# Altium PCB 控制盒基板.PcbDoc (part 2 of 8)
Units mil, origin at the board's own origin, x right, y up, seen from the top; angles counter-clockwise.
Board outline 12046.02 x 6189.14 mil, 4 copper layers (Top Layer, SGND, POWER, Bottom Layer); 368 components, 219 nets, 1110 pads, 351 vias.
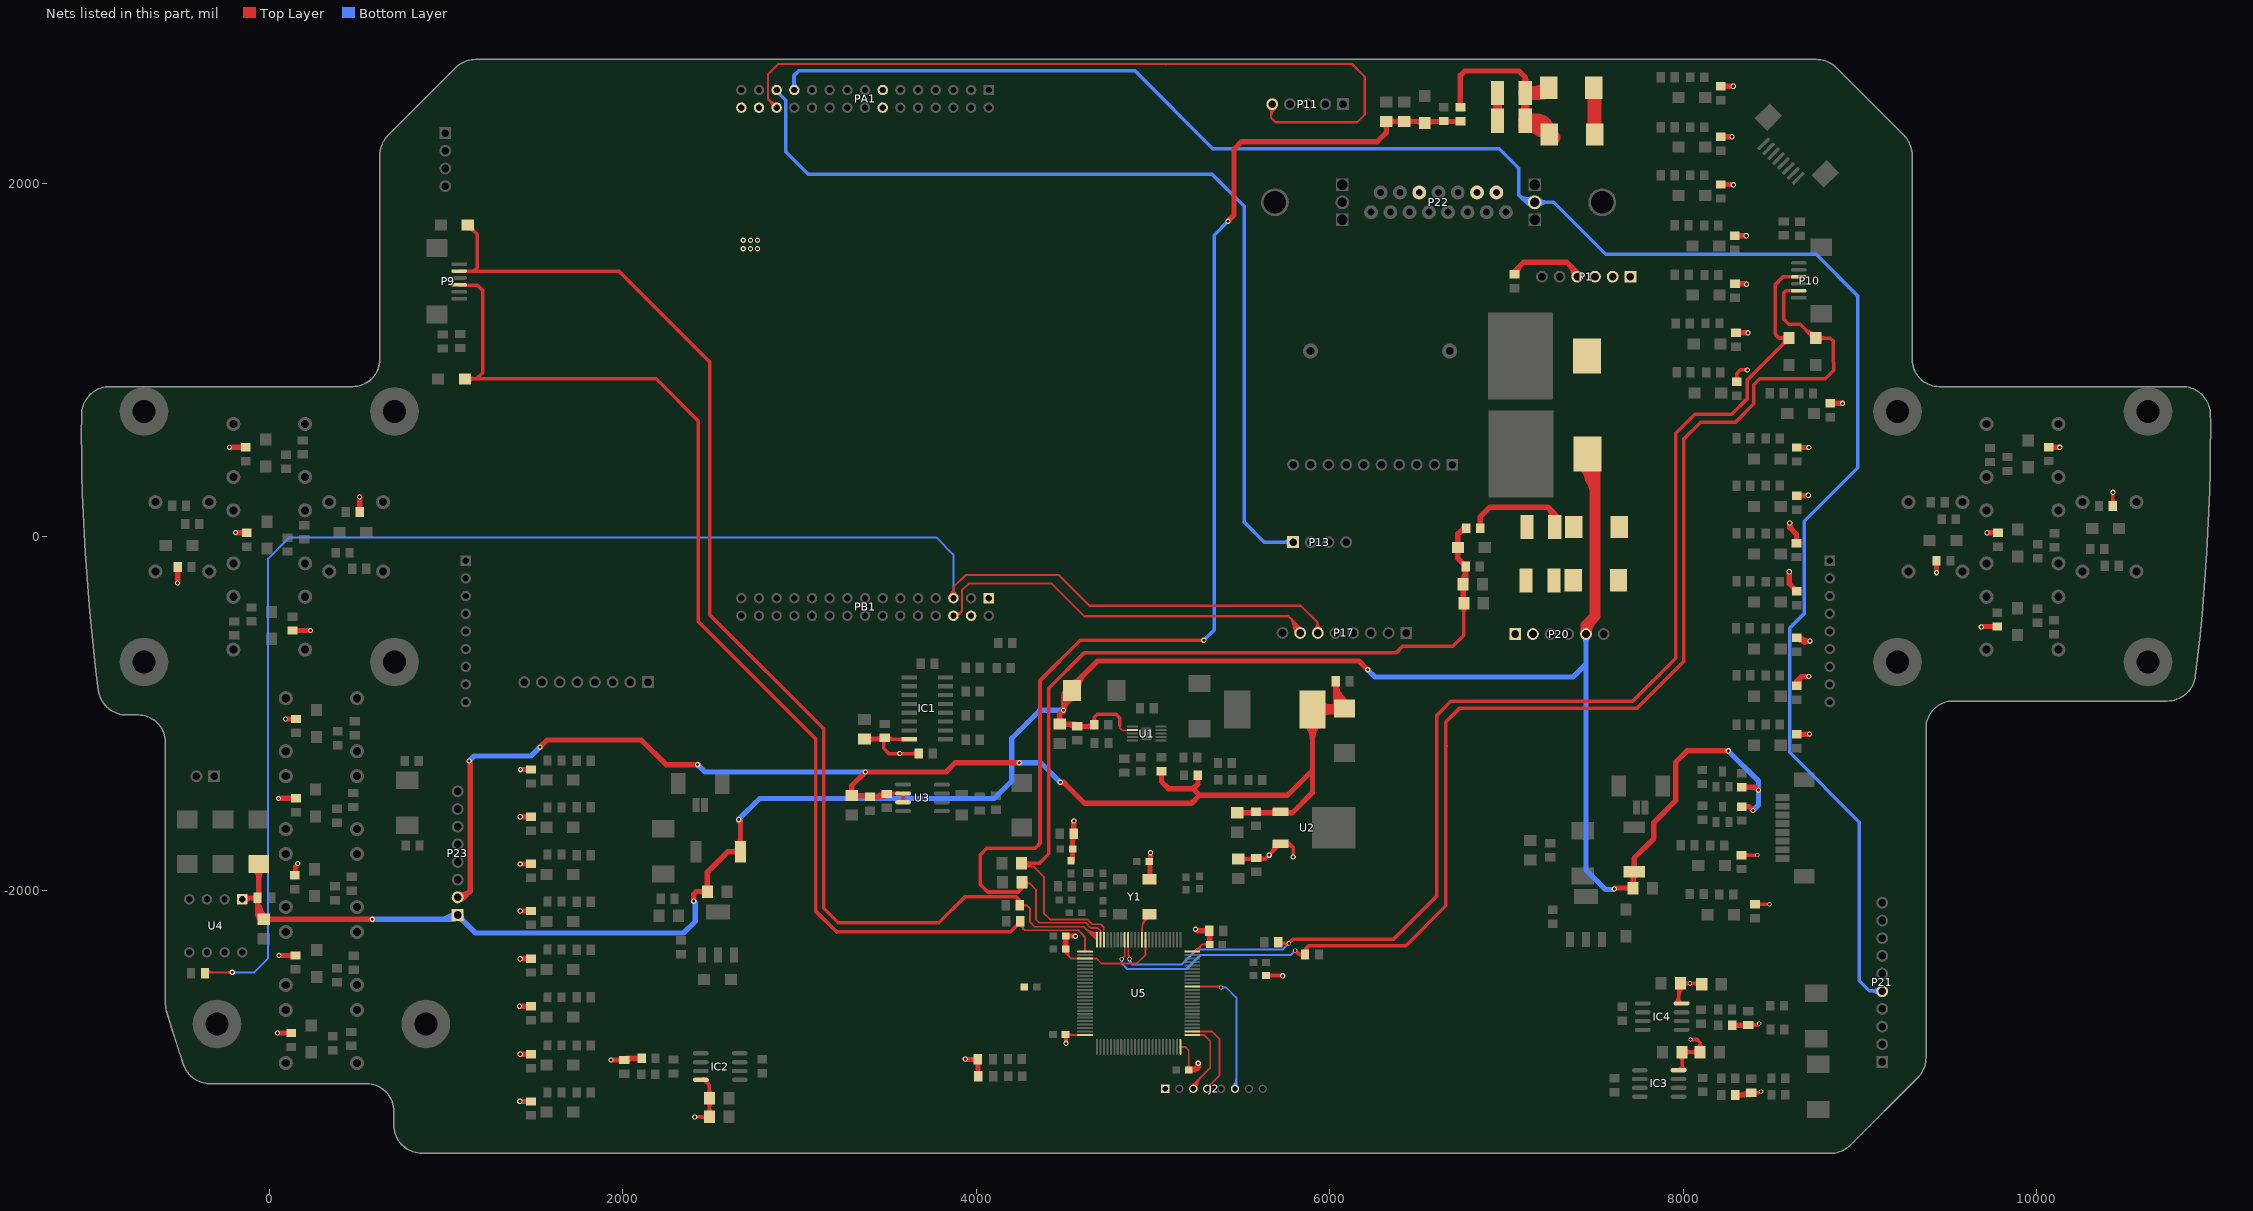
[diagram p4: the nets of this part, all layers, seen from the top]

## Via types
v1: diameter 30, hole 16, Top Layer to Bottom Layer, tented both sides, 209 vias
v2: diameter 24, hole 16, Top Layer to Bottom Layer, tented both sides, 75 vias
v3: diameter 30, hole 18, Top Layer to Bottom Layer, tented both sides, 57 vias
v4: diameter 28, hole 18, Top Layer to Bottom Layer, tented both sides, 10 vias

## Nets (pads, with @x,y where several pads share a name; then routed paths per layer and width w, separated by ;. In a path a pad name is that pad's centre, name@x,y a point inside that pad or via, vN(x,y) a via of type N, cw(c..) or ccw(c..) an arc to the next point about the centre after c; other vN are vias at no path point) (continued)
+3.3V_S: C20.1 C25.2 C92.2 C93.2 C95.2 C96.1 C97.1 C98.1 C100.1 C102.1 C104.1 C108.1 C110.2 C112.2 C113.2 C114.2 C115.2 C116.2 C117.2 C118.2 C119.2 C120.2 C121.2 D60.1 D61.1 IC1.16 IC2.8 IC3.8 IC4.8 J2.1 L4.1 R0.1 R13.2 R14.2 R15.2 R16.2 R17.2 R23.2 R24.2 R25.2 R26.2 R31.2 R32.2 R33.2 R34.2 R39.2 R40.2 R41.2 R42.2 R47.2 R48.2 R49.2 R50.2 R55.2 R56.2 R59.2 R60.2 R61.2 R65.2 R66.2 R67.2 R71.2 R72.2 R73.2 R77.2 R78.2 R79.2 R85.2 R86.2 R89.2 R90.2 R93.2 R109.1 R112.1 R115.1 U2.3 U5.11 U5.28 U5.50 U5.75 U5.100 Y1.4 | length 14471.4
  Top Layer w10: C104.1@4499.95,-2344.01 cw(c4491.14,-2356.51) 4506.43,-2356.51 cw(c4518.11,-2356.51) C104.1@4513.81,-2345.65 ; C104.1@4503.26,-2330.64 ccw(c4534.3,-2338.88) 4511.59,-2361.59 ; C104.1@4504.09,-2328.9 ccw(c4521.32,-2341.3) 4506.31,-2356.31 ; C102.1@4505.53,-2816 4508,-2818.47 4508.75,-2819.22 U5.50@4615.85,-2819.22 ; C104.1@4506.43,-2332 4506.43,-2356.43 ; C104.1@4512.2,-2334.74 ccw(c4531,-2348.26) 4514.63,-2364.63 ; C104.1@4512.93,-2333.2 ccw(c4553.7,-2344.04) 4523.87,-2373.87 ; C104.1@4520.32,-2340.58 ccw(c4540.68,-2355.22) 4522.95,-2372.95 ; C104.1@4522.59,-2335.77 ccw(c4573.1,-2349.19) 4536.15,-2386.15 ; U5.28@4616,-2386 ccw(c4616,-2386.15) U5.28@4615.85,-2386.15 ; U5.11@4959.3,-2280.78 U5.11@4958.37,-2279.85 4958.37,-2364.63 4909,-2414 4709,-2414 4680.21,-2385.21 4614.91,-2385.21 U5.28@4615.85,-2386.15 ; U5.75@5155.22,-2886.15 5182.15,-2886.15 5202.43,-2906.43 C100.1@5202.43,-3017 ; U5.100@5222.15,-2346.78 5237.22,-2346.78 5278,-2306 ; C98.1@5321.57,-2306 5278,-2306 ; 4506.43,-2356.43 ccw(c4493.45,-2356.43) 4499.54,-2344.97 cw(c4493.45,-2356.43) 4506.43,-2356.43 ; 4506.43,-2356.43 cw(c4519.41,-2356.43) 4513.32,-2344.97 ccw(c4519.41,-2356.43) 4506.43,-2356.43 ; 4506.43,-2356.43 4536.15,-2386.15 ; 4536.15,-2386.15 U5.28@4615.85,-2386.15 ; 5202.43,-2981.55 ccw(c5237.89,-2981.55) 5212.82,-3006.62 cw(c5237.89,-2981.55) 5202.43,-2981.55 ; 5202.43,-2981.55 cw(c5166.98,-2981.55) 5192.05,-3006.62 ccw(c5166.98,-2981.55) 5202.43,-2981.55 ; 5278,-2306 ccw(c5316.39,-2344.39) 5262.15,-2346.75 cw(c5316.39,-2344.39) 5278,-2306 ; 5284.15,-2306 ccw(c5284.15,-2270.55) 5309.21,-2295.62 cw(c5284.15,-2270.55) 5284.15,-2306 ; 5284.15,-2306 cw(c5284.15,-2341.45) 5309.21,-2316.38 ccw(c5284.15,-2341.45) 5284.15,-2306 ; C102.1@4517.88,-2826.38 cw(c4535.17,-2843.68) 4535.17,-2819.22 ccw(c4535.17,-2843.68) C102.1@4517.88,-2826.38 ; C102.1@4517.88,-2805.62 ccw(c4550.72,-2772.77) 4550.72,-2819.22 cw(c4550.72,-2772.77) C102.1@4517.88,-2805.62 ; U5.100@5242.17,-2347.62 cw(c5254.77,-2347.07) 5245.85,-2338.15 ccw(c5254.77,-2347.07) U5.100@5242.17,-2347.62 ; U5.100@5252.16,-2347.18 cw(c5285.58,-2345.73) 5261.92,-2322.08 ccw(c5285.58,-2345.73) U5.100@5252.16,-2347.18
  Top Layer w20: R15.2@144,-1915.63 144,-1865 v1(161,-1848) ; 144,-1872.04 cw(c163.14,-1872.04) v1@161.44,-1852.98 ; 150,-1878.71 ccw(c176.96,-1885.93) R15.2@157.46,-1905.89 ; 153.32,-1870.97 ccw(c128.58,-1856.69) v1@156.17,-1849.29 ; v1(2408,-3282) C116.2@2490.92,-3282 C116.2@2493,-3279.92 ; IC2.8@2442,-3072.29 2459.29,-3072.29 2490,-3103 C116.2@2490,-3265.92 ; IC2.8@2457.92,-3066.6 ccw(c2463.17,-3068.35) IC2.8@2459.26,-3072.26 ; IC2.8@2476.9,-3072.92 ccw(c2497.5,-3079.79) 2482.14,-3095.14 ; IC2.8@2477,-3072.29 ccw(c2519.76,-3072.29) 2489.52,-3102.52 ; C110.2@3476.25,-1144.12 3476.25,-1196.25 3506,-1226 C108.1@3675.63,-1226 ; C110.2@3483,-1137.37 3490.63,-1145 IC1.16@3621.64,-1145 ; v1(4508,-2866) C102.1@4508,-2818.47 ; C20.1@5483,-1822.88 5635.27,-1822.88 ; R0.1@5639.43,-2482 v1@5732,-2482 ; v1@5656.85,-1795.96 ccw(c5655.75,-1780.74) 5668.97,-1788.37 ; v1@5662.45,-1795.7 ccw(c5602.91,-1736.16) U2.3@5687.12,-1736.16 ; 5667.22,-1787.44 cw(c5651.1,-1778.13) 5655.92,-1796.12 ccw(c5649.35,-1771.62) 5671.31,-1784.3 ; 5667.84,-1790.31 ccw(c5620.59,-1743.06) U2.3@5687.17,-1737.33 ; 5696.6,-1761.56 ccw(c5671.19,-1736.16) U2.3@5707.12,-1736.16 ; 5698.22,-1759.93 ccw(c5676.53,-1738.24) U2.3@5707.09,-1735.61 ; U2.3@5739.64,-1730.91 cw(c5753,-1750.27) 5769.63,-1733.63 ; U2.3@5740.7,-1730.31 cw(c5752.12,-1756.43) 5772.27,-1736.27 ; U2.3@5742.52,-1729.82 cw(c5747.56,-1772.92) 5778.24,-1742.24 ; U2.3@5748.72,-1748.64 cw(c5764.73,-1785.27) 5793,-1757 ; U2.3@5751,-1747.37 cw(c5766.86,-1770.35) 5786.61,-1750.6 ; v1(5793,-1811) 5793,-1757 ; IC3.8@7974.04,-3017.71 7994.12,-2997.63 ; IC4.8@7991.04,-2639.71 7974.12,-2622.79 7974.12,-2526 8099.88,-2526 C121.2@8104.88,-2531 ; 7994.2,-2997.95 ccw(c8022.89,-2990.26) IC3.8@8008.04,-3015.98 ; v2(8042,-2844) 8078,-2844 8095.88,-2861.88 ; R85.2@8303,877.37 8303,924 8324,945 8362,945 v3(8363,944) ; R90.2@8329.53,-1800.63 8418.37,-1800.63 v2(8419,-1800) ; C115.2@8369,-2762.37 8421.63,-2762.37 v2(8430,-2754) ; C114.2@8385,-3145.37 8391,-3145.37 8433.63,-3145.37 v2(8441,-3138) ; R86.2@8407.63,-2076.63 8410,-2079 v2(8488.1,-2079) ; v1@10431,252 v1(10431.37,251.63) R66.2@10431.37,175 ; 144,-1882.74 ccw(c176.89,-1882.74) 153.63,-1906 cw(c176.89,-1882.74) 144,-1882.74 ; 144,-1882.74 cw(c111.11,-1882.74) 134.37,-1906 ccw(c111.11,-1882.74) 144,-1882.74 ; 2439.02,-3282 ccw(c2439.02,-3230.1) 2475.72,-3266.8 cw(c2439.02,-3230.1) 2439.02,-3282 ; 2439.02,-3282 cw(c2439.02,-3333.9) 2475.72,-3297.2 ccw(c2439.02,-3333.9) 2439.02,-3282 ; 3642.74,-1226 ccw(c3642.74,-1193.11) 3666,-1216.37 cw(c3642.74,-1193.11) 3642.74,-1226 ; 3642.74,-1226 cw(c3642.74,-1258.89) 3666,-1235.63 ccw(c3642.74,-1258.89) 3642.74,-1226 ; 5538.83,-1822.88 ccw(c5538.83,-1874.78) 5502.14,-1838.08 cw(c5538.83,-1874.78) 5538.83,-1822.88 ; 5538.83,-1822.88 cw(c5538.83,-1770.99) 5502.14,-1807.68 ccw(c5538.83,-1770.99) 5538.83,-1822.88 ; 5635.27,-1822.88 cw(c5635.27,-1776.34) 5600.95,-1807.78 ccw(c5635.27,-1776.34) 5635.27,-1822.88 ; 5635.27,-1822.88 v1(5657.21,-1800.95) U2.3@5722,-1736.16 5772.16,-1736.16 ; 5664.78,-2482 ccw(c5664.78,-2505.38) 5648.25,-2488.85 cw(c5664.78,-2505.38) 5664.78,-2482 ; 5664.78,-2482 cw(c5664.78,-2458.62) 5648.25,-2475.15 ccw(c5664.78,-2458.62) 5664.78,-2482 ; 5772.16,-1736.16 ccw(c5772.16,-1759.99) 5753.77,-1744.83 cw(c5772.16,-1759.99) 5772.16,-1736.16 ; 5772.16,-1736.16 cw(c5772.16,-1712.32) 5753.77,-1727.49 ccw(c5772.16,-1712.32) 5772.16,-1736.16 ; 5772.16,-1736.16 5793,-1757 ; 7994.12,-2997.63 ccw(c8013.09,-2997.63) 8007.62,-3015.79 cw(c8013.09,-2997.63) 7994.12,-2997.63 ; 7994.12,-2997.63 C117.2@7994.12,-2915 C120.2@8095.88,-2915 8095.88,-2861.88 ; 7994.12,-2970.83 ccw(c7942.22,-2970.83) 7978.92,-2934.14 cw(c7942.22,-2970.83) 7994.12,-2970.83 ; 7994.12,-2970.83 cw(c8046.01,-2970.83) 8009.32,-2934.14 ccw(c8046.01,-2970.83) 7994.12,-2970.83 ; v2@8037.01,-2526 ccw(c8037.01,-2577.9) 8000.32,-2541.2 cw(c8037.01,-2577.9) v2@8037.01,-2526 ; v2@8037.01,-2526 cw(c8037.01,-2474.1) 8000.32,-2510.8 ccw(c8037.01,-2474.1) v2@8037.01,-2526 ; 8043.99,-2915 ccw(c8043.99,-2863.1) 8080.68,-2899.8 cw(c8043.99,-2863.1) 8043.99,-2915 ; 8043.99,-2915 cw(c8043.99,-2966.9) 8080.68,-2930.2 ccw(c8043.99,-2966.9) 8043.99,-2915 ; 8046.01,-2915 ccw(c8046.01,-2966.9) 8009.32,-2930.2 cw(c8046.01,-2966.9) 8046.01,-2915 ; 8046.01,-2915 cw(c8046.01,-2863.1) 8009.32,-2899.8 ccw(c8046.01,-2863.1) 8046.01,-2915 ; 8095.88,-2861.89 ccw(c8141.39,-2861.89) 8110.48,-2895.29 cw(c8141.39,-2861.89) 8095.88,-2861.89 ; 8095.88,-2861.89 cw(c8050.38,-2861.89) 8081.28,-2895.29 ccw(c8050.38,-2861.89) 8095.88,-2861.89 ; 8303,910.26 ccw(c8335.89,910.26) 8312.63,887 cw(c8335.89,910.26) 8303,910.26 ; 8303,910.26 cw(c8270.11,910.26) 8293.37,887 ccw(c8270.11,910.26) 8303,910.26 ; 8366.35,-1800.63 ccw(c8366.35,-1833.52) 8343.1,-1810.26 cw(c8366.35,-1833.52) 8366.35,-1800.63 ; 8366.35,-1800.63 cw(c8366.35,-1767.74) 8343.1,-1791 ccw(c8366.35,-1767.74) 8366.35,-1800.63 ; 8407.79,-2762.37 ccw(c8407.79,-2795.26) 8384.54,-2772 cw(c8407.79,-2795.26) 8407.79,-2762.37 ; 8407.79,-2762.37 cw(c8407.79,-2729.48) 8384.54,-2752.74 ccw(c8407.79,-2729.48) 8407.79,-2762.37 ; 8423.79,-3145.37 ccw(c8423.79,-3178.26) 8400.54,-3155 cw(c8423.79,-3178.26) 8423.79,-3145.37 ; 8423.79,-3145.37 cw(c8423.79,-3112.48) 8400.54,-3135.74 ccw(c8423.79,-3112.48) 8423.79,-3145.37 ; 10431.37,211.82 ccw(c10464.26,211.82) 10441,188.57 cw(c10464.26,211.82) 10431.37,211.82 ; 10431.37,211.82 cw(c10398.48,211.82) 10421.74,188.57 ccw(c10398.48,211.82) 10431.37,211.82 ; R15.2@144,-1901.11 cw(c214.11,-1901.11) 164.54,-1851.54 ccw(c214.11,-1901.11) R15.2@144,-1901.11 ; C116.2@2475.72,-3262.86 ccw(c2441.25,-3228.39) 2490,-3228.39 cw(c2441.25,-3228.39) C116.2@2475.72,-3262.86 ; C119.2@2476.72,-3196.14 cw(c2444.66,-3228.2) 2490,-3228.2 ccw(c2444.66,-3228.2) C119.2@2476.72,-3196.14 ; C119.2@2476.72,-3157.86 ccw(c2444.66,-3125.8) 2490,-3125.8 cw(c2444.66,-3125.8) C119.2@2476.72,-3157.86 ; 2490,-3237.47 cw(c2548.45,-3237.47) 2507.12,-3196.14 ccw(c2548.45,-3237.47) 2490,-3237.47 ; 2490,-3223.94 ccw(c2545.04,-3223.94) 2506.12,-3262.86 cw(c2545.04,-3223.94) 2490,-3223.94 ; 2490,-3116.53 ccw(c2548.45,-3116.53) 2507.12,-3157.86 cw(c2548.45,-3116.53) 2490,-3116.53 ; C110.2@3467.46,-1147 cw(c3446.24,-1168.22) 3476.25,-1168.22 ccw(c3446.24,-1168.22) C110.2@3467.46,-1147 ; 3476.25,-1172.29 cw(c3512.02,-1172.29) 3486.73,-1147 ccw(c3512.02,-1172.29) 3476.25,-1172.29 ; C110.2@3498.54,-1127.74 ccw(c3540.21,-1086.06) 3540.21,-1145 cw(c3540.21,-1086.06) C110.2@3498.54,-1127.74 ; C102.1@4500.65,-2822.85 cw(c4482.89,-2840.6) 4508,-2840.6 ccw(c4482.89,-2840.6) C102.1@4500.65,-2822.85 ; 4508,-2838.16 cw(c4529.66,-2838.16) 4514.34,-2822.85 ccw(c4529.66,-2838.16) 4508,-2838.16 ; 5531.95,-1822.88 ccw(c5531.95,-1769.83) 5569.46,-1807.34 cw(c5531.95,-1769.83) 5531.95,-1822.88 ; 5717.1,-2482 cw(c5717.1,-2500.9) 5730.46,-2487.54 ccw(c5717.1,-2500.9) 5717.1,-2482 ; IC4.8@7956.62,-2638.29 ccw(c7914.39,-2596.06) 7974.12,-2596.06 cw(c7914.39,-2596.06) IC4.8@7956.62,-2638.29 ; 7974.12,-2608.39 cw(c8063.57,-2608.39) 8000.32,-2545.14 ccw(c8063.57,-2608.39) 7974.12,-2608.39 ; C118.2@7974.12,-2560.11 cw(c8015.29,-2560.11) 7986.18,-2531 ccw(c8015.29,-2560.11) C118.2@7974.12,-2560.11 ; 7994.12,-2981.69 ccw(c8043.06,-2981.69) 8008.45,-3016.29 cw(c8043.06,-2981.69) 7994.12,-2981.69 ; v2@8040,-2527.73 cw(c8047.46,-2540.65) 8051.32,-2526.24 ccw(c8047.46,-2540.65) v2@8040,-2527.73 ; v2@8050.42,-2526 cw(c8050.42,-2581.53) 8089.68,-2542.26 ccw(c8050.42,-2581.53) v2@8050.42,-2526 ; 8055.55,-2526 ccw(c8055.55,-2477.73) 8089.68,-2511.86 cw(c8055.55,-2477.73) 8055.55,-2526 ; 8404.96,-2762.37 ccw(c8404.96,-2728.96) 8428.59,-2752.59 cw(c8404.96,-2728.96) 8404.96,-2762.37 ; 8418.38,-3145.37 ccw(c8418.38,-3115.38) 8439.59,-3136.59 cw(c8418.38,-3115.38) 8418.38,-3145.37 ; R86.2@8420.1,-2089.26 cw(c8444.87,-2114.04) 8444.87,-2079 ccw(c8444.87,-2114.04) R86.2@8420.1,-2089.26 ; R86.2@8420.1,-2070 ccw(c8441.83,-2048.27) 8441.83,-2079 cw(c8441.83,-2048.27) R86.2@8420.1,-2070
  Top Layer w30: R73.2@-518.37,-171 v4(-518.37,-260.63) v4@-518,-261 ; v4(-224.37,506.37) R56.2@-133,506.37 ; v4(-191,24) -190.37,23.37 R79.2@-127,23.37 ; v3@46,-2807 v3(46.63,-2807.63) R17.2@125,-2807.63 ; v4@52,-1479 v4(52.63,-1479.63) R14.2@151,-1479.63 ; v4(55,-2368) 55.63,-2368.63 R16.2@149,-2368.63 ; v4(93,-1031) 93.37,-1030.63 R13.2@152,-1030.63 ; R61.2@132,-530.37 233.63,-530.37 v4(234,-530) ; v4(512,226) 512.37,225.63 R67.2@512.37,140 ; v3(1416,-2656) 1416.37,-2655.63 R34.2@1481,-2655.63 ; v3(1418,-3193) 1419.63,-3194.63 R50.2@1481,-3194.63 ; v3@1419,-1850 v3(1419.63,-1850.63) R41.2@1481,-1850.63 ; v3(1420,-2928) 1420.37,-2927.63 R42.2@1481,-2927.63 ; v3(1420,-2387) 1420.37,-2386.63 R26.2@1481,-2386.63 ; v3@1420,-2117 v3(1420.37,-2116.63) R49.2@1481,-2116.63 ; v3@1420,-1584 v3(1420.37,-1583.63) R33.2@1481,-1583.63 ; v3(1422,-1317) 1422.37,-1316.63 R25.2@1481,-1316.63 ; v1(1933.37,-2959.63) C113.2@2008.04,-2959.63 2017.67,-2950 R109.1@2106.67,-2950 ; C113.2@2019.23,-2952.82 ccw(c2030.64,-2938.12) 2039.95,-2954.23 ; C112.2@3368,-1144.12 3476.25,-1144.12 C110.2@3483,-1137.37 ; v1(3938,-2954) 3941,-2957 D60.1@4007.66,-2957 ; D60.1@4008.69,-2957 D60.1@4007.66,-2957 ; D61.1@4010.66,-3052.6 4010.66,-2960 D60.1@4007.66,-2957 ; C104.1@4506.43,-2332 4507.43,-2331 C97.1@4507.43,-2259 4560,-2259 v1(4561,-2260) ; L4.1@4545,-1832.57 4545,-1687.37 C95.2@4552.37,-1680 v1(4552.37,-1607.63) v1@4555,-1605 ; v1(4985.57,-1787) 4985.57,-1837 C93.2@4980,-1837 cw(c4980,-1840.24) 4983.24,-1840.24 Y1.4@4983.24,-1937.58 ; C100.1@5202.43,-3017 5239,-3017 5259,-2997 ; C100.1@5207.84,-3020.19 cw(c5227.46,-3038.39) 5226.45,-3011.64 ; 5240.44,-3015.56 ccw(c5202.89,-2978) v1(5256,-2978) ; 5250,-3006 ccw(c5231.36,-2987.36) v1(5256,-2978) ; C98.1@5321.57,-2306 5321.57,-2230.94 C96.1@5318.63,-2228 5249,-2228 v1(5241,-2220) ; R65.2@8213,1993.37 8282.63,1993.37 v3(8284,1992) ; R71.2@8213,2263.37 8213.63,2264 v3(8276,2264) ; R77.2@8213,2549.37 8282.63,2549.37 v3(8283,2549) ; R115.1@8277.37,-2763 8368.37,-2763 C115.2@8369,-2762.37 ; R59.2@8292,1703.37 v3(8356.37,1703.37) v3@8357,1704 ; R93.2@8293,1431.37 8355.63,1431.37 v3(8358,1429) ; R112.1@8294.37,-3158 8378.37,-3158 8391,-3145.37 C114.2@8392,-3144.37 ; R89.2@8299,1154.37 8366.63,1154.37 v3(8367,1154) ; 8348.5,-3153.42 cw(c8362.17,-3177.08) C114.2@8375.03,-3152.98 ; v3(8600,-198) 8600,-265 8620,-285 8620,-285.63 R24.2@8643,-308.63 ; R40.2@8640.89,-836.49 ccw(c8606.31,-801.41) 8655.56,-801.77 ; R47.2@8641,-35.63 8641,14 8603,52 v3(8603,78) ; R48.2@8643,-1117.63 8713.37,-1117.63 v3(8715,-1116) ; R40.2@8643,-842.63 8643,-816 8669,-790 ; R32.2@8643,-571.63 8662.63,-571.63 8681,-590 ; R39.2@8643,232.37 8705.37,232.37 v3(8708,235) ; R31.2@8643,505.37 8710.63,505.37 v3(8711,505) ; R32.2@8646.94,-580.25 cw(c8646.94,-638.95) 8688.45,-597.45 ; R32.2@8648.58,-580.09 cw(c8655.48,-615.52) 8681,-590 ; R32.2@8649.21,-579.95 cw(c8662,-626.86) 8686.32,-584.75 ; R32.2@8654.4,-567.32 ccw(c8697.06,-542.69) 8684.31,-590.27 ; v3(8710,-790) 8669,-790 ; v3(8717,-590) 8681,-590 ; R23.2@8832,755.37 8900.63,755.37 v3(8901,755) ; v3(9433.63,-202.37) R72.2@9433.63,-135 ; v3(9687,-510) 9689.63,-507.37 R60.2@9777,-507.37 ; v3(9719,23) 9719.63,22.37 R78.2@9781,22.37 ; R55.2@10069,507.37 10129.63,507.37 v3(10131,506) ; 3411.76,-1144.12 ccw(c3411.76,-1183.94) 3383.6,-1155.78 cw(c3411.76,-1183.94) 3411.76,-1144.12 ; 3411.76,-1144.12 cw(c3411.76,-1104.29) 3383.6,-1132.45 ccw(c3411.76,-1104.29) 3411.76,-1144.12 ; Y1.4@4980,-1934.33 ccw(c4983.24,-1934.33) Y1.4@4983.24,-1937.58 ; Y1.4@4980,-1934.33 ccw(c4983.24,-1934.33) Y1.4@4983.24,-1937.58 ; Y1.4@4980,-1934.33 ccw(c4983.24,-1934.33) Y1.4@4983.24,-1937.58 ; v1(5241,-2220) ccw(c5260.32,-2200.68) 5260.32,-2228 cw(c5260.32,-2200.68) v1(5241,-2220) ; v1(5256,-2978) ccw(c5270.56,-2985.44) 5259,-2997 ; v1(5256,-2978) 5256,-2994 5259,-2997 ; 5259,-2997 cw(c5218.26,-2956.26) 5205.44,-3012.43 ccw(c5218.26,-2956.26) 5259,-2997 ; v3(8603,78) ccw(c8665.77,78) 8621.38,33.62 cw(c8665.77,78) v3(8603,78) ; R24.2@8621.12,-286.12 cw(c8598.6,-308.63) R24.2@8630.44,-308.63 ; R24.2@8621.12,-286.12 cw(c8598.6,-308.63) R24.2@8630.44,-308.63 ; R24.2@8621.12,-286.12 cw(c8598.6,-308.63) R24.2@8630.44,-308.63 ; R24.2@8621.12,-286.12 cw(c8598.6,-308.63) R24.2@8630.44,-308.63 ; 8669,-790 ccw(c8706.21,-827.21) 8655.28,-840.46 cw(c8706.21,-827.21) 8669,-790 ; 8681,-590 cw(c8681,-563.64) 8655.33,-569.66 ccw(c8681,-563.64) 8681,-590 ; C113.2@2020.04,-2965.73 cw(c2058.01,-3003.69) 2058.01,-2950 ccw(c2058.01,-3003.69) C113.2@2020.04,-2965.73 ; 3439.99,-1144.12 ccw(c3439.99,-1100.26) 3471,-1131.27 cw(c3439.99,-1100.26) 3439.99,-1144.12 ; D60.1@4002.6,-2969 cw(c3983.14,-2988.46) 4010.66,-2988.46 ccw(c3983.14,-2988.46) D60.1@4002.6,-2969 ; L4.1@4533.69,-1828.29 ccw(c4506.38,-1800.98) 4545,-1800.98 cw(c4506.38,-1800.98) L4.1@4533.69,-1828.29 ; 4545,-1724.51 cw(c4590.98,-1724.51) 4558.47,-1692 ccw(c4590.98,-1724.51) 4545,-1724.51 ; C93.2@4978.66,-1833.69 ccw(c4961.97,-1817) 4985.57,-1817 cw(c4961.97,-1817) C93.2@4978.66,-1833.69 ; C96.1@5312.53,-2240 cw(c5290.72,-2261.81) 5321.57,-2261.81 ccw(c5290.72,-2261.81) C96.1@5312.53,-2240 ; 8327.79,-3158 ccw(c8327.79,-3094.06) 8373,-3139.27 cw(c8327.79,-3094.06) 8327.79,-3158 ; R32.2@8653.03,-565.53 ccw(c8712.1,-506.47) 8712.1,-590 cw(c8712.1,-506.47) R32.2@8653.03,-565.53
  other v1: 5734,-2484 3568,-1226
  other v2: 8039,-2526
+5V_S: C8.1 C9.1 C10.2 C11.1 C12.2 C13.2 C14.2 L1.2 P23.2 R6.2 R8.2 U2.1 U3.2 U3.3 | length 12115.5
  Top Layer w20: C12.2@3492.96,-1454.63 C12.2@3495.88,-1451.71 ; C12.2@3498.88,-1448.71 C12.2@3495.88,-1451.71 ; U3.2@3564,-1451.71 C12.2@3495.88,-1451.71 ; U3.3@3586.04,-1501.71 U3.2@3586.04,-1451.71 ; C12.2@3508.5,-1464.26 cw(c3538.81,-1494.57) 3538.81,-1451.71 ccw(c3538.81,-1494.57) C12.2@3508.5,-1464.26 ; C12.2@3508.5,-1445 ccw(c3524.7,-1428.8) 3524.7,-1451.71 cw(c3524.7,-1428.8) C12.2@3508.5,-1445
  Top Layer w30: P23.2@1066,-2040 1074,-2040 1076,-2038 1104,-2038 ; P23.2@1079.47,-2027.37 ccw(c1104,-2004.39) 1104,-2038 ; P23.2@1081.42,-2050.16 cw(c1104,-2065.04) 1104,-2038 ; v1@1533,-1189 1573,-1149 2105,-1149 2245,-1289 v1(2424,-1289) ; C14.2@3398.96,-1470.63 3476.96,-1470.63 C12.2@3492.96,-1454.63 ; C14.2@3398.96,-1463.88 C10.2@3295.96,-1463.88 3295.96,-1408.04 v1(3373,-1331) 3828,-1331 3881,-1278 v1(4244,-1278) ; C14.2@3409.18,-1463.16 ccw(c3429.63,-1427.73) 3440.22,-1467.25 ; 3451.3,-1465.65 cw(c3470.85,-1499.51) C12.2@3484.13,-1462.74 ; R8.2@5048,-1326.37 5048,-1386 5087,-1425 5227,-1425 ; R6.2@5254.37,-1349 5254.37,-1397.63 5227,-1425 ; C11.1@5478,-1560.88 5716.96,-1560.88 U2.1@5722,-1555.84 ; U2.1@5722,-1560.88 5789.12,-1560.88 5902.6,-1447.4 5902.6,-1320.4 ; C9.1@6029.32,-829.37 cw(c6016.3,-851.91) C9.1@6041.44,-845.18 ; C8.1@6044.83,-952.24 ccw(c6022.89,-937.91) 6043.55,-921.81 ccw(c6072.39,-899.33) C8.1@6073.76,-935.86 ; C8.1@6048.76,-947.24 ccw(c6013.89,-914.46) 6051.63,-885.04 ; C8.1@6070.62,-967.78 ccw(c6039.72,-938.74) 6073.17,-912.66 ; 1104,-2038 1137,-2005 ; v1(1131,-1268) cw(c1116.51,-1282.49) 1137,-1282.49 ccw(c1116.51,-1282.49) v1(1131,-1268) ; v1(1131,-1268) 1137,-1274 1137,-2005 ; 1137,-2005 cw(c1089.31,-1957.31) 1071.01,-2022.23 ccw(c1089.31,-1957.31) 1137,-2005 ; 3295.96,-1424.06 ccw(c3335.79,-1424.06) 3307.63,-1452.22 cw(c3335.79,-1424.06) 3295.96,-1424.06 ; 3295.96,-1424.06 cw(c3256.14,-1424.06) 3284.3,-1452.22 ccw(c3256.14,-1424.06) 3295.96,-1424.06 ; 3339.72,-1463.88 ccw(c3339.72,-1503.71) 3311.56,-1475.55 cw(c3339.72,-1503.71) 3339.72,-1463.88 ; 3339.72,-1463.88 cw(c3339.72,-1424.06) 3311.56,-1452.22 ccw(c3339.72,-1424.06) 3339.72,-1463.88 ; v1(4476,-1389) cw(c4476,-1434.87) 4508.44,-1402.44 ccw(c4476,-1434.87) v1(4476,-1389) ; v1(4476,-1389) 4495,-1389 4614,-1508 5218,-1508 5264,-1462 ; 5227,-1425 5264,-1462 ; 5264,-1462 5761,-1462 5902.6,-1320.4 ; 5521.76,-1560.88 ccw(c5521.76,-1600.71) 5493.6,-1572.55 cw(c5521.76,-1600.71) 5521.76,-1560.88 ; 5521.76,-1560.88 cw(c5521.76,-1521.06) 5493.6,-1549.22 ccw(c5521.76,-1521.06) 5521.76,-1560.88 ; 5902.6,-1320.4 L1.2@5902.6,-977 5907.58,-972.02 C8.1@6083,-972.02 6033.63,-922.64 C9.1@6033.63,-816 ; 5902.6,-1152.87 ccw(c5758.22,-1152.87) 5860.31,-1050.78 cw(c5758.22,-1152.87) 5902.6,-1152.87 ; 5902.6,-1152.87 cw(c6046.98,-1152.87) 5944.89,-1050.78 ccw(c6046.98,-1152.87) 5902.6,-1152.87 ; 5987.78,-972.02 ccw(c5987.78,-884.67) 6049.54,-946.43 cw(c5987.78,-884.67) 5987.78,-972.02 ; 5987.78,-972.02 cw(c5987.78,-1059.37) 6049.54,-997.6 ccw(c5987.78,-1059.37) 5987.78,-972.02 ; C9.1@6033.63,-816 ccw(c6192.95,-816.01) 6096.93,-943.14 cw(c6192.95,-816.01) C9.1@6033.63,-816 ; P23.2@1062.87,-2051.1 ccw(c1073.39,-2013.79) 1100.8,-2041.2 cw(c1073.39,-2013.79) P23.2@1062.87,-2051.1 ; 3355.95,-1463.88 cw(c3355.95,-1507.74) 3386.96,-1476.73 ccw(c3355.95,-1507.74) 3355.95,-1463.88 ; C14.2@3427.61,-1470.63 ccw(c3427.61,-1395.19) 3480.96,-1448.53 cw(c3427.61,-1395.19) C14.2@3427.61,-1470.63 ; 5542.02,-1560.88 ccw(c5542.02,-1519.9) 5571,-1548.88 cw(c5542.02,-1519.9) 5542.02,-1560.88 ; C13.2@5595,-1548.88 ccw(c5623.98,-1519.9) 5623.98,-1560.88 cw(c5623.98,-1519.9) C13.2@5595,-1548.88 ; 5667.76,-1560.88 ccw(c5667.76,-1522.86) 5694.64,-1549.75 cw(c5667.76,-1522.86) 5667.76,-1560.88 ; U2.1@5749.36,-1549.75 ccw(c5776.24,-1522.86) 5776.24,-1560.88 cw(c5776.24,-1522.86) U2.1@5749.36,-1549.75 ; L1.2@5923.67,-998.07 cw(c5986.58,-1060.98) 5986.58,-972.02 ccw(c5986.58,-1060.98) L1.2@5923.67,-998.07 ; L1.2@5944.89,-1019.29 cw(c6059.01,-1133.41) 6059.01,-972.02 ccw(c6059.01,-1133.41) L1.2@5944.89,-1019.29 ; L1.2@5944.89,-934.71 ccw(c6034.94,-844.65) 6034.94,-972.02 cw(c6034.94,-844.65) L1.2@5944.89,-934.71 ; 5985.3,-991.77 cw(c6008.23,-1077.35) 6055.73,-1002.56 ccw(c6008.23,-1077.35) 5985.3,-991.77 ; 5988.67,-959.62 ccw(c6006.22,-894.09) 6051.16,-944.91 cw(c6006.22,-894.09) 5988.67,-959.62 ; 5999.4,-987.99 ccw(c5980.48,-917.37) 6043.79,-953.93 cw(c5980.48,-917.37) 5999.4,-987.99 ; 6012.31,-965.95 cw(c5998.9,-1016.03) 6043.79,-990.11 ccw(c5998.9,-1016.03) 6012.31,-965.95 ; C8.1@6033.63,-936.51 ccw(c6101.94,-936.51) 6060.77,-991.02 cw(c6101.94,-936.51) C8.1@6033.63,-936.51 ; 6033.63,-876.26 ccw(c6147.44,-876.26) 6078.85,-967.08 cw(c6147.44,-876.26) 6033.63,-876.26
  Bottom Layer w30: v1(1131,-1268) 1159,-1240 1482,-1240 v1(1532,-1190) ; v1(2424,-1289) 2466,-1331 v1(3373,-1331) ; v1(4244,-1278) 4365,-1278 v1(4476,-1389)